# Altium PCB MEGAphone.PcbDoc (part 4 of 5)
Units mm, origin at the board's own origin, x right, y up, seen from the top; angles counter-clockwise.
Board outline 213.75 x 99.74 mm, 4 copper layers (Component Side, Signal Layer 1, Signal Layer 2, Bottom Layer), stack 1.49 mm thick; 321 components, 321 nets, 1903 pads, 1858 vias.
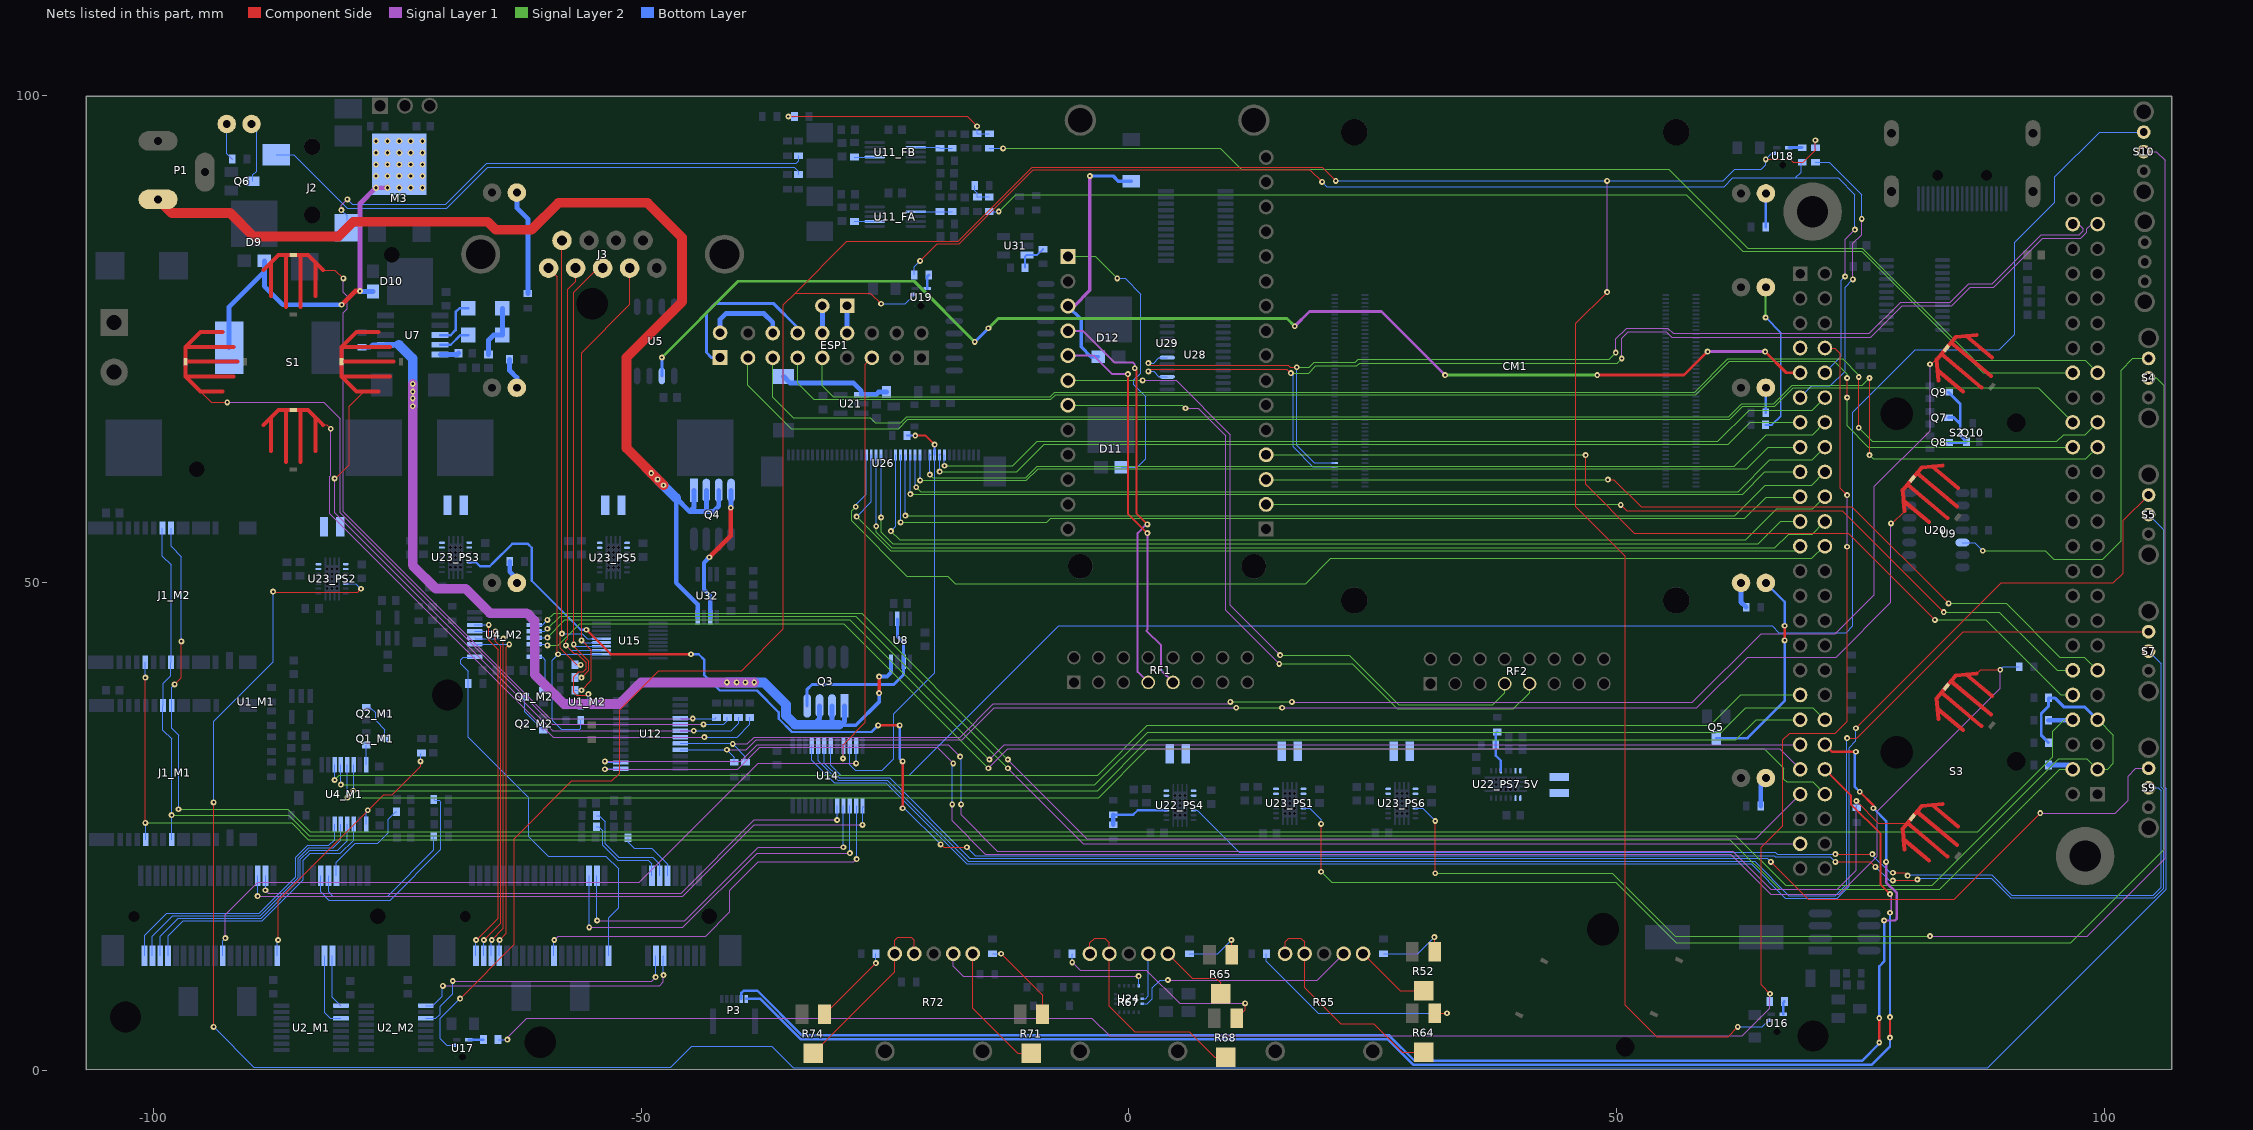
[diagram p6: the nets of this part, all layers, seen from the top]

## Via types
v1: diameter 0.5, hole 0.3, Component Side to Bottom Layer, tented both sides, 1255 vias
v2: diameter 0.6, hole 0.25, Component Side to Bottom Layer, tented both sides, 517 vias
v3: diameter 0.6, hole 0.25, Component Side to Bottom Layer, 61 vias
v4: diameter 0.63, hole 0.33, Component Side to Bottom Layer, 25 vias

## Nets (pads, with @x,y where several pads share a name; then routed paths per layer and width w, separated by ;. In a path a pad name is that pad's centre, name@x,y a point inside that pad or via, vN(x,y) a via of type N, cw(c..) or ccw(c..) an arc to the next point about the centre after c; other vN are vias at no path point) (continued)
NetCM1_188: CM1.188 U9.48A U28.18 | length 119.3
  Component Side w0.127: v2(2,72.527) 2.237,72.29 16.348,72.29 16.535,72.104 v2(17.204,72.104)
  Signal Layer 1 w0.127: v2(49.9,73.6) 49.9,75 51.012,76.112 55.227,76.112 55.769,75.569 75.869,75.569 79.081,78.781 84.181,78.781 86.081,80.681 88.481,80.681 93.481,85.681 97.4,85.681 97.8,86.081 97.8,86.3 97.329,86.771 U9.48A@96.73,86.771
  Signal Layer 2 w0.127: v2(17.204,72.104) 18.504,72.104 19.012,72.612 23.212,72.612 23.512,72.912 49.212,72.912 v2(49.9,73.6)
  Bottom Layer w0.127: v2(2,72.527) 2.533,72.527 3.081,73.075 U28.18@3.93,73.075 ; v2(17.204,72.104) 17.2,72.1 17.2,64.1 19.009,62.291 20.677,62.291 20.687,62.3 CM1.188@21.1,62.3
NetCM1_190: CM1.190 U9.47A U28.15 | length 120.7
  Component Side w0.127: v2(2,71.673) 2.237,71.909 16.191,71.909 v2(16.6,71.5)
  Signal Layer 1 w0.127: v2(50.504,72.996) 50.504,75.065 51.169,75.731 55.069,75.731 55.612,75.188 76.027,75.188 79.239,78.4 84.339,78.4 86.239,80.3 88.639,80.3 93.639,85.3 97.558,85.3 98.181,85.923 98.181,86.3 98.652,86.771 U9.47A@99.27,86.771
  Signal Layer 2 w0.127: v2(16.6,71.5) 18.439,71.5 19.169,72.231 23.369,72.231 23.669,72.531 50.038,72.531 v2(50.504,72.996)
  Bottom Layer w0.127: v2(2,71.673) 2.533,71.673 3.081,71.125 U28.15@3.93,71.125 ; v2(16.6,71.5) 16.819,71.281 16.819,63.942 18.852,61.91 20.677,61.91 20.687,61.9 CM1.190@21.1,61.9
NetD2_A: D2.A R14.2 | length 2.7
  Bottom Layer w0.5: D2.A@62.73,50 62.73,48.026 R14.2@63.258,47.498
NetD2_K: D2.K Q5.3 | length 21.5
  Component Side w0.25: v3(67.2,44.1) v3(67.2,45.6)
  Bottom Layer w0.25: Q5.3@60.2,34.1 63.4,34.1 67.2,37.9 v3(67.2,44.1) ; D2.K@65.27,50 67.2,48.07 v3(67.2,45.6)
NetD3_A: D3.A R15.2 | length 3.8
  Bottom Layer w0.127: D3.A@-92.456,97.028 -92.456,93.993 R15.2@-91.891,93.428
NetD3_K: D3.K Q6.3 | length 6.2
  Bottom Layer w0.127: D3.K@-89.916,97.028 -89.4,96.512 -89.4,92.2 -89.779,91.821 Q6.3@-89.779,91.165
NetD4_1: D4.1 L1.2 U21.1 | length 11.6
  Bottom Layer w0.5: L1.2@-35.4,71.158 -34.742,70.5 -28.236,70.5 -27.425,69.689 U21.1@-27.425,69.297 -25.903,69.297 -25.649,69.551 D4.1@-24.86,69.551
NetD6_PS4_K: D6_PS4.K R49_PS4.1 | length 15.8
  Signal Layer 2 w0.2: v2(65.25,77.2) 65.25,80.28 D6_PS4.K@65.27,80.3
  Bottom Layer w0.2: R49_PS4.1@65.25,66.2 65.9,66.2 66.8,67.1 66.8,75.65 v2(65.25,77.2)
"NetD6_PS7 5V_K": "D6_PS7 5V.K" "R49_PS7 5V.1" | length 3.4
  Bottom Layer w0.3: 65.266,86.487 65.266,89.904 65.278,89.916
NetD7_PS1_K: D7_PS1.K R50_PS1.1 | length 3.1
  Bottom Layer w0.5: R50_PS1.1@64.758,27.13 64.758,29.488 D7_PS1.K@65.27,30
NetD7_PS2_K: D7_PS2.K R50_PS2.1 | length 3.2
  Bottom Layer w0.5: R50_PS2.1@-63.48,72.91 -63.48,71.784 -62.73,71.034 D7_PS2.K@-62.73,70
NetD7_PS3_K: D7_PS3.K R50_PS3.1 | length 2.5
  Bottom Layer w0.5: R50_PS3.1@-63.455,52.197 -63.455,51.155 -62.73,50.43 D7_PS3.K@-62.73,50
NetD7_PS5_K: D7_PS5.K R50_PS5.1 | length 2.6
  Bottom Layer w0.3: R50_PS5.1@65.266,67.437 65.266,69.996 D7_PS5.K@65.27,70
NetD7_PS6_K: D7_PS6.K R50_PS6.1 | length 10.8
  Bottom Layer w0.5: D7_PS6.K@-62.73,90 -62.73,88.43 -61.6,87.3 R50_PS6.1@-61.6,79.65
NetD9_2: D9.2 D10.2 L4.1 M3.4 | length 36.9
  Component Side w0.5: v3(-80.69,78.5) -79.29,79.9 v3(-78.8,79.9)
  Signal Layer 1 w0.5: v3(-78.8,79.9) -78.8,88.869 v4(-77.174,90.496) v4(-75.98,90.496)
  Bottom Layer w0.5: L4.1@-92.21,74.1 -92.21,78.29 -88.6,81.9 ; D9.2@-88.6,83 -88.6,81.9 ; v3(-80.69,78.5) -86.7,78.5 -88.6,80.4 -88.6,81.9 ; v3(-78.8,79.9) -78.76,79.86 D10.2@-77.465,79.86
  other v4: -74.786,90.496 -73.592,90.496 -72.398,90.496 -77.174,91.69 -75.98,91.69 -74.786,91.69 -73.592,91.69 -72.398,91.69 -77.174,92.883 -75.98,92.883 -74.786,92.883 -73.592,92.883 -72.398,92.883 -77.174,94.077 -75.98,94.077 -74.786,94.077 -73.592,94.077 -72.398,94.077 -77.174,95.271 -75.98,95.271 -74.786,95.271 -73.592,95.271 -72.398,95.271
NetD11_2: D11.2 U29.P2_1 | length 29.6
  Signal Layer 2 w0.127: U29.P2_1@-6.25,83.45 -3.45,83.45 v2(-1.2,81.2)
  Bottom Layer w0.127: v2(-1.2,81.2) -0.4,81.2 1.2,79.6 1.2,71.5 0.5,70.8 0.5,70.3 1.7,69.1 1.7,62.7 0.865,61.865 D11.2@-0.78,61.865
NetD12_1: D12.1 D13.1 U29.P2_3 | length 26
  Signal Layer 1 w0.35: U29.P2_3@-6.25,78.37 -5.61,78.37 -4,79.98 v2(-4,91.7)
  Bottom Layer w0.35: U29.P2_3@-6.25,78.37 -4.9,77.02 -4.9,74.2 -3.895,73.195 D12.1@-3.14,73.195 ; v2(-4,91.7) -1.6,91.7 -1.075,91.175 D13.1@0.24,91.175
NetDS1_1: DS1.1 DS2.1 R58.1 | length 5.8
  Bottom Layer w0.5: R58.1@-65.627,73.411 -65.627,74.873 -65.1,75.4 DS1.1@-64.215,75.4 DS2.1@-64.215,78.15
NetDS1_2: DS1.2 U7.4 | length 3.3
  Bottom Layer w0.25: U7.4@-70.582,74.4 -69.5,74.4 -68.5,75.4 DS1.2@-67.715,75.4
NetDS2_2: DS2.2 U7.3 | length 5.1
  Bottom Layer w0.25: U7.3@-70.582,75.4 -69.5,75.4 -69,75.9 -69,77.75 -68.6,78.15 DS2.2@-67.715,78.15
NetESP1_5: ESP1.5 U14.9 | length 43.6
  Component Side w0.127: v2(-29.3,32) -29.3,33.4 -27,35.7 -27,72.4 ESP1.5@-26.34,73.06
  Bottom Layer w0.127: v2(-29.3,32) -29.255,32.045 U14.9@-29.255,33.278
NetESP1_8: ESP1.8 LS1.1 | length 2.8
  Bottom Layer w0.5: ESP1.8@-28.88,75.6 LS1.1@-28.88,78.392
NetESP1_9: ESP1.9 U9.31A | length 143.1
  Component Side w0.127: v2(74.8,65.9) v2(74.8,71.1)
  Signal Layer 2 w0.127: ESP1.9@-31.42,73.06 -31.42,70.22 -30.3,69.1 -8.059,69.1 -7.605,69.554 57.995,69.554 61.395,72.954 73.146,72.954 74.8,71.3 v2(74.8,71.1) ; v2(74.8,65.9) 76.2,64.5 95.1,64.5 95.8,65.2 98.019,65.2 U9.31A@99.27,66.451
NetESP1_10: ESP1.10 LS1.2 | length 2.8
  Bottom Layer w0.5: ESP1.10@-31.42,75.6 LS1.2@-31.42,78.392
NetESP1_11: ESP1.11 U9.30A | length 142.3
  Component Side w0.127: v2(73.6,69) v2(73.6,71)
  Signal Layer 2 w0.127: ESP1.11@-33.96,73.06 -33.96,70.46 -32.3,68.8 -8,68.8 -7.5,69.3 58.1,69.3 61.5,72.7 72.3,72.7 73.6,71.4 v2(73.6,71) ; v2(73.6,69) 73.6,66.1 75.789,63.911 U9.30A@96.73,63.911
NetESP1_12: ESP1.12 LS2.1 | length 17
  Bottom Layer w0.3: LS2.1@-41.9,73.1 -42.8,73.1 -43.3,73.6 -43.3,77.713 -42.4,78.613 -36.393,78.613 -33.96,76.18 ESP1.12@-33.96,75.6
NetESP1_13: ESP1.13 U9.29A | length 151.4
  Component Side w0.127: v2(75.9,63.1) v2(75.9,71)
  Signal Layer 2 w0.127: ESP1.13@-36.5,73.06 -36.5,69 -34.4,66.9 -26.5,66.9 -26,66.4 -23.359,66.4 -22.75,67.01 61.45,67.01 62.795,68.354 66.095,68.354 67.995,70.254 75.154,70.254 v2(75.9,71) ; v2(75.9,63.1) 76.3,62.7 98.059,62.7 U9.29A@99.27,63.911
NetESP1_14: ESP1.14 LS2.2 | length 8.5
  Bottom Layer w0.5: LS2.2@-41.9,75.64 -41.9,77 -41.3,77.6 -37.4,77.6 -36.5,76.7 ESP1.14@-36.5,75.6
NetESP1_15: ESP1.15 U9.32A | length 143.6
  Signal Layer 2 w0.127: ESP1.15@-39.04,73.06 -39.04,70.24 -34.6,65.8 -23.6,65.8 -22.644,66.756 61.556,66.756 62.9,68.1 66.2,68.1 68.1,70 93.181,70 U9.32A@96.73,66.451
NetF2_FA_2: F2_FA.2 J2.3 | length 58.1
  Bottom Layer w0.127: J2.3@-87.4,93.9 -85.6,93.9 -80.1,88.4 -69.9,88.4 -65.7,92.6 -34.3,92.6 -33.851,92.151 F2_FA.2@-33.851,91.844
NetF2_FB_2: F2_FB.2 J2.2 | length 52.2
  Signal Layer 1 w0.127: v2(-80.7,88.2) -80.7,88.7 v2(-80.1,89.3)
  Bottom Layer w0.127: v2(-80.7,88.2) -80.1,87.6 J2.2@-80.1,86.4 ; v2(-80.1,89.3) -79.6,88.8 -70,88.8 -65.8,93 -34.1,93 -33.851,93.249 F2_FB.2@-33.851,93.773
NetJ1_M1_5: J1_M1.5 J1_M2.5 R11.2 U9.4A | length 226.3
  Component Side w0.127: v2(-100.8,25.4) v2(-100.8,40.3)
  Signal Layer 2 w0.127: v2(-100.8,25.4) -85.8,25.4 -84.1,23.7 61.6,23.7 66.7,18.6 83.1,18.6 95.391,30.891 U9.4A@96.73,30.891
  Bottom Layer w0.127: J1_M2.5@-100.804,41.867 -100.8,41.863 v2(-100.8,40.3) ; v2(-100.8,25.4) -100.744,25.344 J1_M1.5@-100.744,23.692
  Bottom Layer w0.5: R11.2@94.25,31.324 96.297,31.324 U9.4A@96.73,30.891
NetJ1_M1_8: J1_M1.8 J1_M1.19 J1_M2.8 J1_M2.19 R8.2 R9.2 U9.3A U9.7A | length 257.4
  Signal Layer 2 w0.127: v2(-98.104,26.2) -86.1,26.2 -84,24.1 62.2,24.1 67.291,19.009 82.309,19.009 95.3,32 98.161,32 U9.3A@99.27,30.891 100.291,30.891 100.9,31.5 100.9,34.4 99.329,35.971 U9.7A@99.27,35.971
  Bottom Layer w0.127: J1_M2.19@-99.044,55.617 -99.044,52.744 -98.164,51.864 J1_M2.8@-98.164,41.867 -98.2,41.831 -98.2,40.5 -98.984,39.716 J1_M1.19@-98.984,37.442 -99,37.426 -99,34.9 -98.104,34.004 v2(-98.104,26.2) J1_M1.8@-98.104,23.692
  Bottom Layer w0.3: R8.2@94.25,33.624 93.5,34.374 93.5,36.6 94.25,37.35 R9.2@94.25,38.224 94.876,38.224 95.8,37.3 97.941,37.3 U9.7A@99.27,35.971
NetJ1_M1_18: J1_M1.18 J1_M2.18 R10.2 U9.8A | length 233.8
  Component Side w0.127: v2(-97.8,39.6) -97.1,40.3 v2(-97.1,44)
  Signal Layer 2 w0.127: v2(-97.4,26.8) -86.2,26.8 -83.9,24.5 87,24.5 94.7,32.2 94.7,34.8 95.871,35.971 U9.8A@96.73,35.971
  Bottom Layer w0.127: J1_M2.18@-98.164,55.617 -98.164,53.764 -97.1,52.7 v2(-97.1,44) ; v2(-97.8,39.6) -98.104,39.296 J1_M1.18@-98.104,37.442 -98.104,35.104 -97.4,34.4 v2(-97.4,26.8)
  Bottom Layer w0.5: R10.2@94.25,35.924 96.684,35.924 U9.8A@96.73,35.971
NetJ3_1: J3.1 R38.2 U15.2 | length 55.6
  Component Side w0.127: J3.1@-59.473,82.26 -58.591,81.378 -58.591,42.782 v2(-58.5,42.691)
  Bottom Layer w0.127: R38.2@-56.176,35.926 -56.176,35.124 -56.3,35 -58.2,35 -59.1,35.9 -59.1,42.091 v2(-58.5,42.691) U15.2@-54.055,42.691
NetJ3_2: J3.2 R36.2 U15.3 | length 53
  Component Side w0.127: J3.2@-56.703,82.26 -56.703,80.9 -57.5,80.103 -57.5,44.276 -57.7,44.076 v2(-57.7,43.6) -56.9,42.8 -56.6,42.8 -55.608,41.808 -55.608,41.192 -55.9,40.9 -56.4,40.9 -56.9,40.4 -56.9,38.8 -56.61,38.51 -55.49,38.51 v2(-55.4,38.6)
  Bottom Layer w0.127: v2(-57.7,43.6) -57.191,43.091 U15.3@-54.055,43.091 ; R36.2@-56.176,37.454 -55.646,37.454 -55.4,37.7 v2(-55.4,38.6)
NetJ3_3: J3.3 R35.2 U15.4 | length 48.3
  Component Side w0.127: v2(-56.1,40.3) -55.354,41.046 -55.354,41.954 -56.9,43.5 v2(-56.9,43.7) -56.9,79.8 -54.44,82.26 J3.3@-53.933,82.26
  Bottom Layer w0.127: v2@-56.891,43.491 -56.9,43.5 v2(-56.9,43.7) -56.691,43.491 U15.4@-54.055,43.491 ; R35.2@-56.781,40.3 v2(-56.1,40.3)
NetJ3_4: J3.4 R34.2 U15.5 | length 49.1
  Component Side w0.127: v2(-56.1,39) -55.1,40 -55.1,43.1 v2(-56.1,44.1) -56.1,73.6 -51.163,78.537 J3.4@-51.163,82.26
  Bottom Layer w0.127: R34.2@-56.781,39.004 -56.104,39.004 v2(-56.1,39) ; v2(-56.1,44.1) -56.2,44 -56.09,43.89 U15.5@-54.055,43.891 U15.5@-54.055,43.891
NetJ3_6: J3.6 R37.2 U15.6 | length 49.5
  Component Side w0.127: J3.6@-58.1,85.1 v2(-58.1,44.8) -58.3,44.6 -58.3,43.3 -56.6,41.6 v2(-56.2,41.6)
  Bottom Layer w0.127: v2(-58.1,44.8) -56.009,44.8 -55.5,44.291 U15.6@-54.055,44.291 ; R37.2@-56.781,41.6 v2(-56.2,41.6)
NetL2_PS4_1: L2_PS4.1 U22_PS4.8 U22_PS4.9
NetL2_PS4_2: L2_PS4.2 U22_PS4.6 U22_PS4.7
"NetL2_PS7 5V_1": "L2_PS7 5V.1" "U22_PS7 5V.8" "U22_PS7 5V.9"
"NetL2_PS7 5V_2": "L2_PS7 5V.2" "U22_PS7 5V.6" "U22_PS7 5V.7"
NetL3_PS1_1: L3_PS1.1 U23_PS1.8 U23_PS1.9
NetL3_PS1_2: L3_PS1.2 U23_PS1.6 U23_PS1.7
NetL3_PS2_1: L3_PS2.1 U23_PS2.8 U23_PS2.9
NetL3_PS2_2: L3_PS2.2 U23_PS2.6 U23_PS2.7
NetL3_PS3_1: L3_PS3.1 U23_PS3.8 U23_PS3.9
NetL3_PS3_2: L3_PS3.2 U23_PS3.6 U23_PS3.7
NetL3_PS5_1: L3_PS5.1 U23_PS5.8 U23_PS5.9
NetL3_PS5_2: L3_PS5.2 U23_PS5.6 U23_PS5.7
NetL3_PS6_1: L3_PS6.1 U23_PS6.8 U23_PS6.9
NetL3_PS6_2: L3_PS6.2 U23_PS6.6 U23_PS6.7
NetP1_1: P1.1 Q4.1 Q4.2 Q4.3 U32.4 | length 116.2
  Component Side w1: P1.1@-99.5,89.3 -98.1,87.9 -92.1,87.9 -89.7,85.5 -81,85.5 -79.5,87 -65.7,87 -64.9,86.2 -61.2,86.2 -58.45,88.95 -49.35,88.95 -45.8,85.4 -45.8,78.8 -51.5,73.1 -51.5,63.81 v2@-47.695,60.005
  Bottom Layer w0.45: -46.4,58.7 -46.4,50 -44.196,47.796 U32.4@-44.196,46.482
  Bottom Layer w0.5: -46.4,58.7 -45,57.3 ; Q4.1@-44.577,59.483 -44.577,57.723 -45,57.3 ; Q4.2@-43.307,59.483 -43.307,57.3 ; Q4.3@-42.037,59.483 -42.037,57.863 -42.6,57.3 -43.307,57.3 ; -45,57.3 -43.307,57.3
  Bottom Layer w1: v2(-48.95,61.25) v2(-47.7,60) -46.4,58.7
  other v2: -48.3,60.6
NetP3_1: P3.1 U9.42B | length 152
  Component Side w0.2: U9.42B@71.33,30.892 74,28.222 74,27.3 77.027,24.273 77.027,19.073 v3(78,18.1) ; v3(78,3.4) v3(78,5.5)
  Signal Layer 1 w0.2: v3(78,16.2) 78.127,16.327 78.127,17.973 v3(78,18.1)
  Bottom Layer w0.2: v3(78,5.5) v3(78,16.2)
  Bottom Layer w0.25: P3.1@-39.211,7.366 -37.77,7.366 -33.656,3.252 26.515,3.252 29.131,0.636 76.136,0.636 78,2.5 v3(78,3.4)
NetP3_2: P3.2 U9.40B | length 157.6
  Component Side w0.25: U9.40B@71.33,33.432 72.062,32.7 v3(74.5,32.7) ; v3(74.9,28.6) 76.3,27.2 v3(76.3,26.9) ; v3(76.9,2.9) v3(76.9,5.4)
  Signal Layer 1 w0.25: v3(77.4,15.4) 78.5,15.4 78.7,15.6 78.7,18.2 77.6,19.3 v3(77.6,21.4)
  Bottom Layer w0.25: P3.2@-39.711,7.366 -39.711,7.989 -39.5,8.2 -38.071,8.2 -33.5,3.629 26.671,3.629 29.287,1.013 75.113,1.013 76.9,2.8 v3(76.9,2.9) ; v3(74.5,32.7) 74.4,32.6 74.4,29.1 v3(74.9,28.6) ; v3(76.3,26.9) 77.6,25.6 v3(77.6,21.4) ; v3(76.9,5.4) 76.9,10.7 77.4,11.2 v3(77.4,15.4)
NetQ1_M1_1: Q1_M1.1 U4_M1.16 | length 2
  Bottom Layer w0.127: Q1_M1.1@-78.166,33.386 -78.157,33.377 U4_M1.16@-78.157,31.369
NetQ1_M1_3: Q1_M1.3 Q2_M1.2 | length 4.2
  Bottom Layer w0.127: Q2_M1.2@-78.166,37.226 -77.726,37.226 -77.2,36.7 -77.2,35.9 -76.266,34.966 Q1_M1.3@-76.266,34.036
NetQ1_M2_1: Q1_M2.1 U4_M2.16 | length 4.5
  Bottom Layer w0.127: U4_M2.16@-60.958,42.429 -60.139,42.429 -59.8,42.09 -59.8,39.212 Q1_M2.1@-60.008,39.004
NetQ1_M2_3: Q1_M2.3 Q2_M2.2 | length 4.2
  Bottom Layer w0.127: Q1_M2.3@-61.908,38.354 -61.908,36.808 Q2_M2.2@-60.01,34.91
NetQ3_1: Q3.1 Q3.2 Q3.3 R60.1 U7.7 U8.4 | length 105
  Component Side w0.381: v2(-25.6,38.7) v2(-25.6,40.4)
  Signal Layer 1 w1: v2(-73.4,70.4) -73.4,51.8 -71,49.4 -68.003,49.4 -68,49.403 -65.497,46.9 -61.7,46.9 -60.9,46.1 -60.9,40.6 -57.9,37.6 -52.2,37.6 -50,39.8 v2(-38.4,39.8)
  Bottom Layer w0.381: -29.7,35.4 -29.555,35.4 -28,35.4 -25.6,37.8 v2(-25.6,38.7) ; v2(-25.6,40.4) -24.8,40.4 -24.382,40.818 U8.4@-24.382,41.92
  Bottom Layer w0.5: R60.1@-78.6,74.15 -77.75,74.15 -77.5,74.4 U7.7@-76.182,74.4 ; -32.333,35.468 -31.7,36.1 Q3.3@-31.7,37.4 ; -30.832,35.468 -30.43,35.87 Q3.2@-30.43,37.4 ; -29.555,35.4 -29.16,35.795 Q3.1@-29.16,37.4
  Bottom Layer w0.6: U7.7@-76.182,74.4 -74.8,74.4
  Bottom Layer w1: -74.8,74.4 -73.4,73 v2(-73.4,68.1) ; v2(-41.2,39.8) -37.393,39.8 -35.133,37.539 -35.133,36.391 -34.209,35.468 -32.333,35.468 -30.832,35.468 -29.7,35.468
  other v2: -40.2,39.8 -39.3,39.8 -73.4,68.9 -73.4,69.6
NetQ3_4: Q3.4 U8.2 U8.6 | length 18.2
  Bottom Layer w0.3: Q3.4@-32.97,37.4 -32.97,39.1 -32.47,39.6 -24.1,39.6 -23.082,40.618 U8.2@-23.082,41.92 -23.082,43.882 -23.732,44.532 U8.6@-23.732,46.32
NetQ4_4: Q4.4 U32.2 U32.6 | length 14.4
  Component Side w0.5: v3(-43,52.622) -40.8,54.822 v3(-40.8,57.7)
  Bottom Layer w0.45: v3(-43,52.622) -43.546,52.076 U32.6@-43.546,50.882 -43.546,49.3 -42.896,48.65 U32.2@-42.896,46.482
  Bottom Layer w0.5: v3(-40.8,57.7) -40.767,57.733 Q4.4@-40.767,59.483
NetQ7_3: Q7.3 Q8.3 Q9.3 Q10.2 | length 9.1
  Bottom Layer w0.3: Q8.3@84.008,64.389 85.771,64.389 Q10.2@85.837,64.455 85.2,65.092 85.2,66.3 ; Q7.3@84.008,66.929 84.571,66.929 85.2,66.3 ; Q9.3@84.008,69.534 85.2,68.343 85.2,66.3
NetR2_M1_2: R2_M1.2 U1_M1.10 | length 10.5
  Bottom Layer w0.127: U1_M1.10@-81.224,19.978 -81.224,21.376 -79.3,23.3 -77,23.3 -75.9,24.4 -75.9,25.8 -75.153,26.547 R2_M1.2@-75.049,26.547
NetR2_M2_2: R2_M2.2 U1_M2.10 | length 6.6
  Bottom Layer w0.127: R2_M2.2@-51.32,23.876 -51.32,23.42 -50.7,22.8 -48.9,22.8 -47.276,21.176 U1_M2.10@-47.276,19.978
NetR3_M1_2: R3_M1.2 U1_M1.12 | length 15.9
  Bottom Layer w0.127: U1_M1.12@-82.024,19.978 -82.024,18.324 -81.6,17.9 -75.97,17.9 -71.235,22.635 R3_M1.2@-71.235,24.003
NetR3_M2_2: R3_M2.2 U1_M2.12 | length 11.1
  Bottom Layer w0.127: R3_M2.2@-54.56,26.157 -54.257,26.157 -53.646,25.546 -53.646,23.246 -52.3,21.9 -48.8,21.9 -48.076,21.176 U1_M2.12@-48.076,19.978
NetR4_M1_2: R4_M1.2 U1_M1.14 | length 22.1
  Bottom Layer w0.127: U1_M1.14@-82.824,19.978 -82.824,18.324 -82,17.5 -75.7,17.5 -70.5,22.7 -70.5,27.5 -70.7,27.7 -71.122,27.7 R4_M1.2@-71.235,27.813
NetR4_M2_2: R4_M2.2 U1_M2.14 | length 9.4
  Bottom Layer w0.127: R4_M2.2@-54.576,25.019 -54.319,25.019 -53.9,24.6 -53.9,23.1 -52.4,21.6 -49.276,21.6 -48.876,21.2 U1_M2.14@-48.876,19.978
NetR5_M1_2: R5_M1.2 U1_M1.17 U4_M1.1 | length 28.9
  Component Side w0.127: v2(-87.2,13.4) -87.2,17.473 -76.373,28.3 -75.5,28.3 -72.6,31.2 v2(-72.6,31.7)
  Bottom Layer w0.127: U1_M1.17@-87.274,11.778 -87.274,13.326 v2(-87.2,13.4) ; U4_M1.1@-78.157,25.269 -78.157,26.543 v2(-78,26.7) ; v2(-72.6,31.7) -72.6,32.45 R5_M1.2@-72.5,32.55
NetR5_M2_2: R5_M2.2 U1_M2.17 U4_M2.1 | length 42.5
  Bottom Layer w0.127: U4_M2.1@-67.058,42.429 -67.087,42.4 -68.2,42.4 -68.5,42.1 -68.5,41.725 -67.7,40.925 R5_M2.2@-67.7,39.7 -67.7,34.2 -61.5,28 -61.5,24 -59.5,22 -53.6,22 -52.3,20.7 -52.3,16.7 -53.326,15.674 U1_M2.17@-53.326,11.778
NetR16_FA_2: R16_FA.2 R24_FA.1 U11_FA.2 | length 3.8
  Bottom Layer w0.127: U11_FA.2@-21.845,88.038 -19.393,88.038 R24_FA.1@-19.373,88.058 R16_FA.2@-18.103,88.058
NetR16_FB_2: R16_FB.2 R24_FB.1 U11_FB.2 | length 3.8
  Bottom Layer w0.127: U11_FB.2@-21.845,94.642 -19.473,94.642 R24_FB.1@-19.366,94.535 R16_FB.2@-18.103,94.535
NetR17_FA_1: R17_FA.1 R18_FA.1 R19_FA.1 | length 2.5
  Bottom Layer w0.127: R19_FA.1@-15.805,90.713 -15.805,90.205 -15.526,89.926 R18_FA.1@-15.526,89.546 -15.514,89.558 R17_FA.1@-14.305,89.558
NetR17_FA_2: R17_FA.2 U9.36A | length 119.3
  Signal Layer 2 w0.127: v2(-13.342,88.058) -11.6,89.8 57.1,89.8 62.9,84 75.1,84 87.569,71.531 U9.36A@96.73,71.531
  Bottom Layer w0.127: R17_FA.2@-14.305,88.058 v2(-13.342,88.058)
NetR17_FB_1: R17_FB.1 R18_FB.1 R19_FB.1 | length 22.4
  Component Side w0.127: v2(-34.9,97.8) -16.563,97.8 v2(-15.563,96.8)
  Bottom Layer w0.127: v2(-34.9,97.8) -34.89,97.79 R19_FB.1@-34.278,97.79 ; v2(-15.563,96.8) R18_FB.1@-15.563,96.035 R17_FB.1@-14.293,96.035
NetR17_FB_2: R17_FB.2 U9.35A | length 123.1
  Signal Layer 2 w0.127: v2(-12.9,94.535) 9.365,94.535 11.5,92.4 55.338,92.4 63.438,84.3 75.159,84.3 86.659,72.8 98.001,72.8 U9.35A@99.27,71.531
  Bottom Layer w0.127: R17_FB.2@-14.293,94.535 v2(-12.9,94.535)
NetR22_FA_2: R22_FA.2 U11_FA.7 | length 2.1
  Bottom Layer w0.127: R22_FA.2@-28.136,87.042 -28.132,87.038 U11_FA.7@-26.045,87.038
NetR22_FB_2: R22_FB.2 U11_FB.7 | length 2.1
  Bottom Layer w0.127: R22_FB.2@-28.136,93.646 -28.132,93.642 U11_FB.7@-26.045,93.642
NetR26_2: R26.2 S1.1 U12.4 | length 75
  Component Side w0.127: -82.595,82.063 -81.363,82.063 v2(-80.5,81.2)
  Signal Layer 1 w0.127: v2(-80.5,81.2) -80.5,79.8 -80.1,79.4 -80.1,78.1 -80.5,77.7 -80.5,57.3 -59.3,36.1 v2(-44.7,36.1)
  Bottom Layer w0.127: U12.4@-45.97,36.147 -45.923,36.1 v2(-44.7,36.1) -42.385,36.1 R26.2@-42.278,36.207
NetR27_2: R27.2 S1.2 U12.5 | length 76.7
  Component Side w0.127: -95.168,69.617 -94.05,68.5 v2(-92.4,68.5)
  Signal Layer 1 w0.127: v2(-92.4,68.5) -82.5,68.5 -80.8,66.8 -80.8,57.2 -59.097,35.497 -59.094,35.5 v2(-43.6,35.5)
  Bottom Layer w0.127: U12.5@-45.97,35.497 -45.967,35.5 v2(-43.6,35.5) -41.506,35.5 -41.503,35.497 -41.148,35.852 R27.2@-41.148,36.207